# Altium PCB SDR.PcbDoc (part 4 of 5)
Units mil, origin at the board's own origin, x right, y up, seen from the top; angles counter-clockwise.
Board outline 5725 x 2750 mil, 6 copper layers (Top Layer, Mid-Layer 1, Mid-Layer 2, Mid-Layer 3, Mid-Layer 4, Bottom Layer), stack 58.26 mil thick; 401 components, 323 nets, 1707 pads, 954 vias.
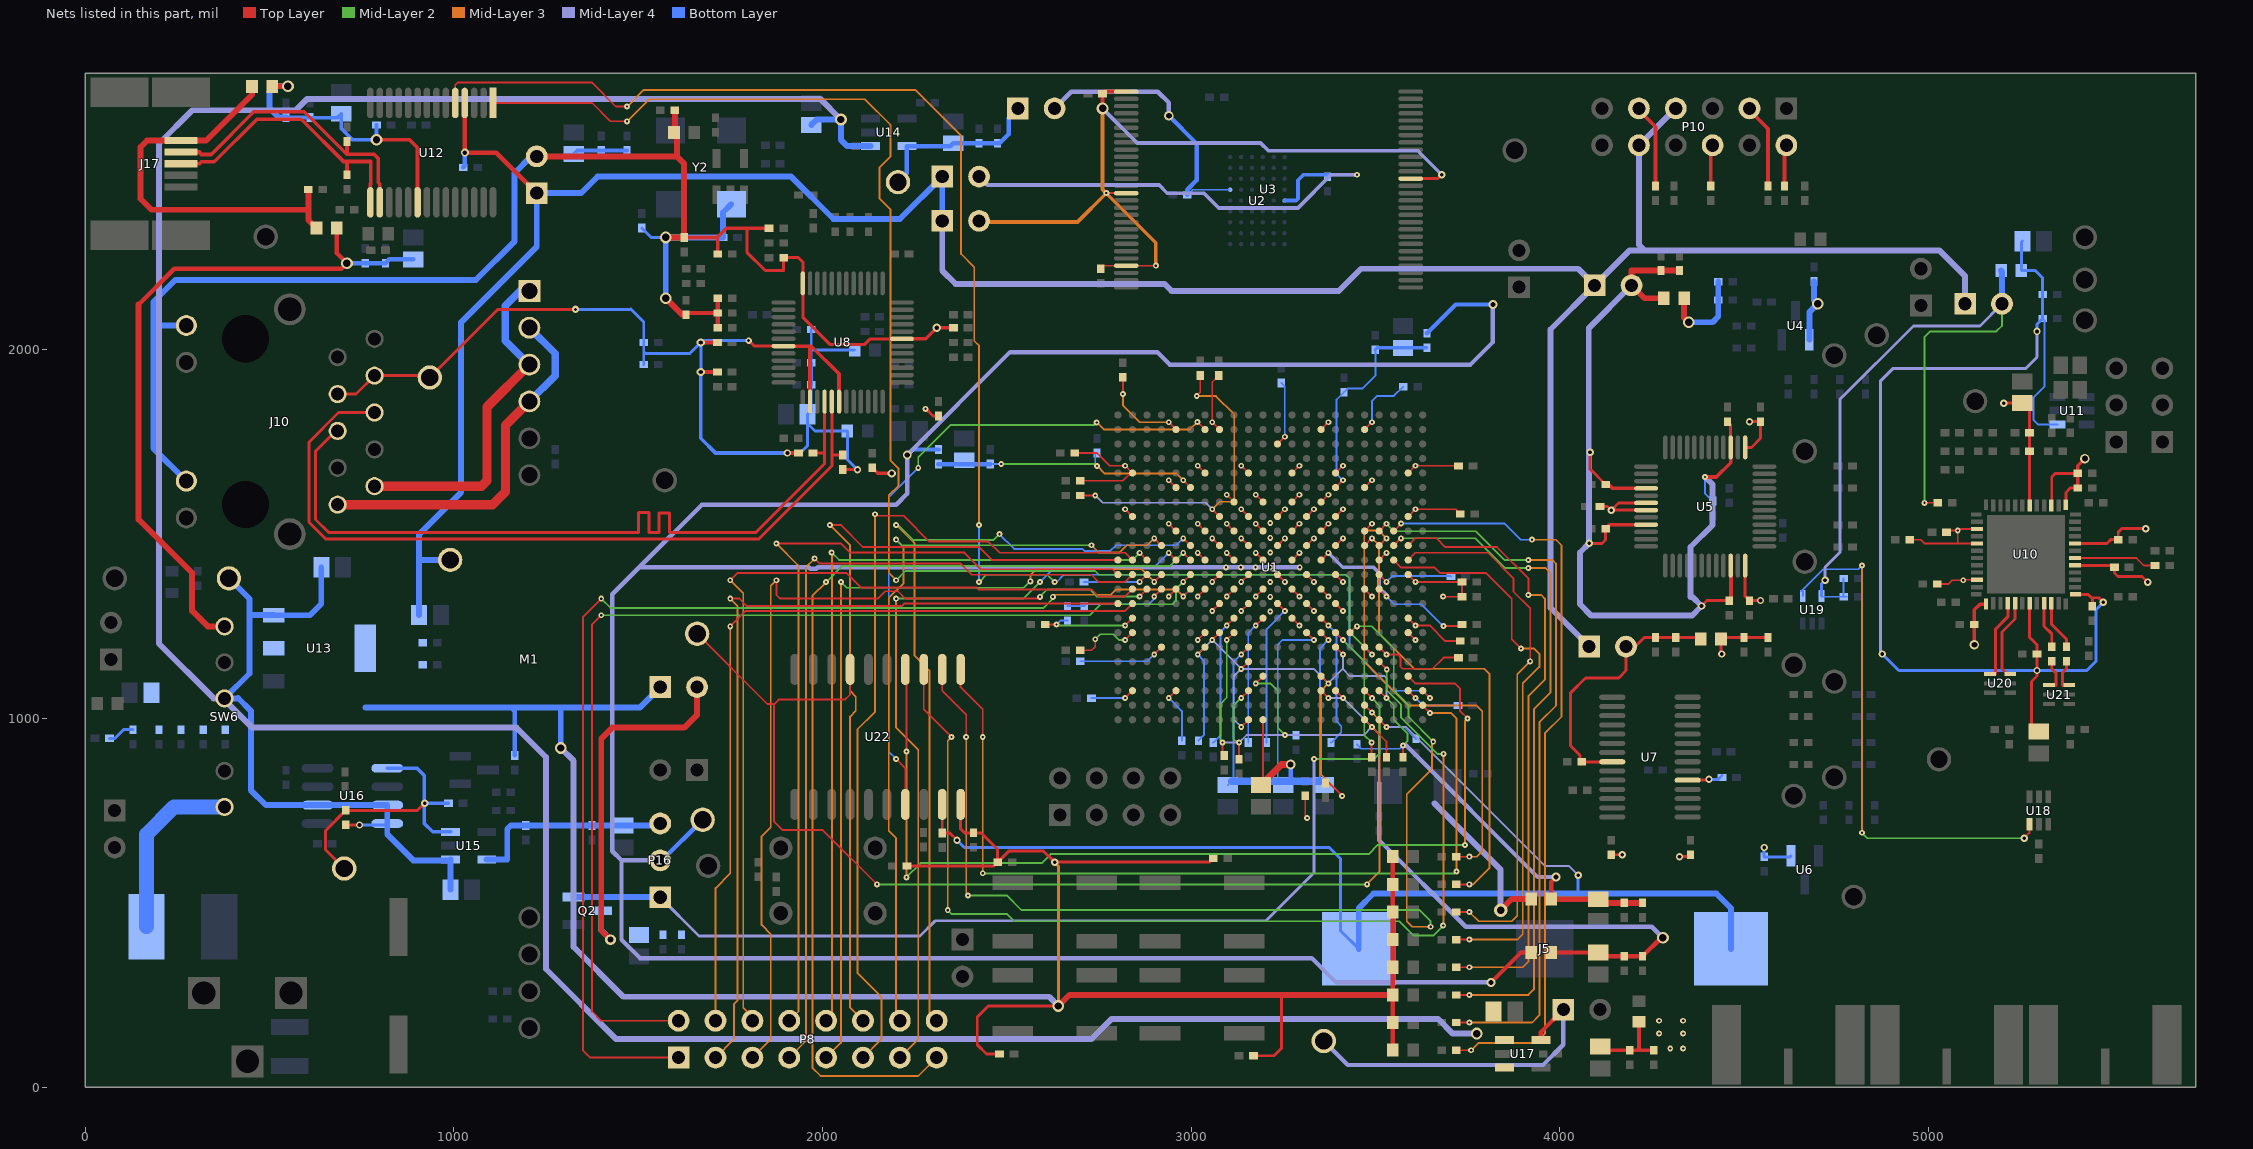
[diagram p8: the nets of this part, all layers, seen from the top]

## Via types
v1: diameter 16, hole 6, Top Layer to Bottom Layer, 767 vias
v2: diameter 32, hole 20, Top Layer to Bottom Layer, 74 vias
v3: diameter 20, hole 10, Top Layer to Bottom Layer, 59 vias
v4: diameter 26, hole 16, Top Layer to Bottom Layer, 14 vias
v5: diameter 36, hole 20, Top Layer to Bottom Layer, 12 vias
v6: diameter 24, hole 14, Top Layer to Bottom Layer, 7 vias
v7: diameter 22, hole 12, Top Layer to Bottom Layer, 6 vias
v8: diameter 30, hole 20, Top Layer to Bottom Layer, 5 vias
v9: diameter 150, hole 125, Top Layer to Bottom Layer, 4 vias
v10: diameter 26, hole 14, Top Layer to Bottom Layer, 2 vias
v11: diameter 20, hole 8, Top Layer to Bottom Layer, 1 vias
v12: diameter 18, hole 8, Top Layer to Bottom Layer, 1 vias
v13: diameter 22, hole 10, Top Layer to Bottom Layer, 1 vias
v14: diameter 29, hole 16, Top Layer to Bottom Layer, 1 vias

## Nets (pads, with @x,y where several pads share a name; then routed paths per layer and width w, separated by ;. In a path a pad name is that pad's centre, name@x,y a point inside that pad or via, vN(x,y) a via of type N, cw(c..) or ccw(c..) an arc to the next point about the centre after c; other vN are vias at no path point) (continued)
RTC_CLKOUT: J34.1 U1.AA18 U22.7 | length 3087
  Top Layer w5: J34.1@1660,1230 1851,1039 1869,1039 ; U22.7@2075,1133.07 2075,1065 2061,1051 1881,1051 1869,1039 ; v1(2148,550) 2001,697 1892,697 1869,720 1869,1039 ; U1.AA18@3470.91,1035.98 v1(3490.59,1016.3)
  Mid-Layer 2 w5: v1(2148,550) v1(3477,550)
  Mid-Layer 3 w5: v1(3477,550) 3511,584 3511,995.89 v1(3490.59,1016.3)
RTC_INT: U1.B7 U22.17 | length 1835.1
  Top Layer w5: v1(2200,890) 2225,865 U22.17@2225,766.93 ; v1(3017,1804) 3017.85,1804 U1.B7@3037.83,1784.02
  Mid-Layer 2 w5: v1(2260,1680) 2260,1709 2347,1796 2737,1796 v1(2744,1803)
  Mid-Layer 3 w5: v1(2744,1803) 2763,1784 2997,1784 v1(3017,1804)
  Bottom Layer w5: v1(2200,890) 2180,910 2180,1600 v1(2260,1680)
RTC_SCL: U1.AA22 U22.1 | length 2387.7
  Top Layer w5: U22.1@2375,1133.07 2375,1085 2435,1025 v1(2435,950) ; U1.AA22@3628.39,1035.98 3628.39,1034.61 v1(3648,1015)
  Mid-Layer 2 w5: v1(2435,580) 2435.5,579.5 3714.5,579.5 v1(3720,585)
  Mid-Layer 3 w5: v1(2435,580) v1(2435,950) ; v1(3648,1015) 3705,1015 3720,1000 v1(3720,585)
RTC_SDA: U1.W21 U22.4 | length 2706.3
  Top Layer w5: U22.4@2225,1133.07 2228,1130.07 v1(2228,910) ; U1.W21@3589.02,1114.72 3608.74,1095 3715,1095 3730,1080 3730,1020 v1(3750,1000)
  Mid-Layer 2 w5: v1(2228,569) 2266.5,607.5 2594.5,607.5 2619,632 3482,632 3507,657 v1(3743,657)
  Mid-Layer 3 w5: v1(2228,569) v1(2228,910) ; v1(3743,657) 3743,993 v1(3750,1000)
RTC_SDI: U1.T17 U22.2 | length 2976.8
  Top Layer w5: U22.2@2325,1133.07 2325,1075 2390,1010 v1(2390,950) ; U1.T17@3431.54,1232.83 3448.7,1250 v1(3450,1250)
  Mid-Layer 2 w5: v1(2395,520) 2500,520 2540,480 3620,480 3650,450 v1(3650,435) ; v1(3450,1250) 3490,1250 3550,1190 3550,1076 3590,1036 3590,1004 v1(3657,937)
  Mid-Layer 3 w5: v1(2390,950) 2390,525 v1(2395,520) ; v1(3650,435) 3600,435 3585,450 3585,795 3654,864 3654,934 v1(3657,937)
RTC_SDO: U1.V19 U22.3 | length 2870.8
  Top Layer w5: U22.3@2275,1133.07 2275,1025 v1(2350,950) ; U1.V19@3510.28,1154.09 3531,1133.37 v1(3531,1133)
  Mid-Layer 2 w5: v1(2340,480) 2350,470 2500,470 2520,450 3565,450 3604,411 3657,411 v1(3684,438) ; v1(3531,1133) 3531,1076.55 3570,1037.55 3570,1002.08 3668.08,904 v1(3685,904)
  Mid-Layer 3 w5: v1(2340,480) 2340,940 v1(2350,950) ; v1(3684,438) 3685,439 v1(3685,904)
RX/T\X\: U18.4 U19.4 | length 1426.6
  Top Layer w5: v3(5260,675) 5274.41,689.41 U18.4@5274.41,712.6
  Mid-Layer 2 w5: v1(4820,690) 4835,675 v3(5260,675)
  Mid-Layer 3 w5: v1(4820,690) v1(4820,1415)
  Bottom Layer w5: U19.4@4659.41,1332.4 4660,1332.99 4660,1345 4659.41,1345 4655,1345 4715,1405 4810,1405 v1(4820,1415)
RXRF_N: U10.5 U20.3 | length 220.3
  Top Layer w8: U20.3@5222.56,1120.59 5214.41,1120.59 5200,1135 5200,1234.54 5235.47,1270.02 U10.5@5235.47,1312.13
RXRF_P: U10.4 U20.4 | length 220.1
  Top Layer w8: U20.4@5167.44,1120.59 5182,1120.59 5182,1242 5215.79,1275.79 U10.4@5215.79,1312.13
SCLK: R83.1 U10.18 | length 225.8
  Top Layer w5: U10.18@5397.87,1435.16 5564.84,1435.16 5585,1415 R83.1@5615.31,1415
TCK: P10.2 R72.1 | length 110.3
  Top Layer w10: R72.1@4610,2444.68 P10.2@4610,2555
TD_N: J10.6 R25.2 U8.40 | length 2151.9
  Top Layer w8: J10.6@685,1780 680,1780 625,1725 625,1540 660,1505 1501,1505 1501,1558.53 1529,1558.53 1529,1505 1557,1505 1557,1557.46 1585,1557.46 1585,1505 1820,1505 2005.79,1690.79 2005.79,1720 ; R25.2@1974.69,1720 2005.79,1720 ; U8.40@2005.79,1859.57 2005.79,1720
TD_P: J10.5 R20.2 U8.41 | length 2151.9
  Top Layer w8: J10.5@785,1830 687.47,1830 607,1749.53 607,1532.54 652.54,1487 1827.46,1487 2025.47,1685.02 2025.47,1715 ; U8.41@2025.47,1859.57 2025.47,1715 ; R20.2@2055,1714.69 2025.79,1714.69 2025.47,1715
TDI: P10.6 R74.1 | length 110.3
  Top Layer w10: R74.1@4410,2444.68 P10.6@4410,2555
TDO: P10.9 R75.2 | length 231
  Top Layer w10: P10.9@4210,2655 4212.5,2652.5 4260,2605 R75.2@4260,2444.69
TMS: P10.3 R73.2 | length 233.1
  Top Layer w10: P10.3@4510,2655 4512.5,2652.5 4565,2600 R73.2@4565,2444.69
TXRF_C_N: C188.2 U21.3 | length 87.8
  Top Layer w8: C188.2@5375,1155.31 5375,1135 5364,1124 5364,1090.59 5364,1090 U21.3@5381.97,1090
TXRF_C_P: C187.2 U21.4 | length 87.8
  Top Layer w8: U21.4@5328.03,1090 5346,1090 5346,1090.59 5346,1124 5335,1135 C187.2@5335,1155.31
TXRF_N: C188.1 U10.10 | length 134.5
  Top Layer w8: U10.10@5333.9,1312.13 5333.9,1256.1 5375,1215 C188.1@5375,1194.68
TXRF_P: C187.1 U10.9 | length 126.1
  Top Layer w8: U10.9@5314.21,1312.13 5314.21,1250.33 5335,1229.54 C187.1@5335,1194.68
UART_0_RXD: U1.U18 U12.1 | length 3949
  Top Layer w5: U12.1@1106.34,2669.84 1374.84,2669.84 1424.68,2620 v1(1470,2620) ; U1.U18@3470.91,1193.46 v1(3490.59,1173.78)
  Mid-Layer 2 w5: v1(2200,1375) 2225,1400 2740,1400 2750,1390 3420,1390 3430,1380 3430,1234.37 v1(3490.59,1173.78)
  Mid-Layer 3 w5: v1(1470,2620) 1530,2680 2115,2680 2185,2610 2185,2525 2155,2495 2155,2410 2185,2380 2185,1699 2206.5,1677.5 2206.5,1631.5 2180,1605 2180,1395 v1(2200,1375)
UART_0_TXD: U1.Y22 U12.5 | length 4275.1
  Top Layer w5: U12.5@1003.98,2669.84 1003.98,2718.98 1010,2725 1375,2725 1440,2660 v1(1470,2660) ; U1.Y22@3628.39,1075.35 v1(3648.07,1055.67)
  Mid-Layer 2 w5: v1(2425,1370) 2445,1390 2610,1390 v1(2630,1370)
  Mid-Layer 3 w5: v1(1470,2660) 1515,2705 2252,2705 2376,2581 2376,2260 2412,2224 2412,2024 2425,2011 v1(2425,1525)
  Bottom Layer w5: v1(2425,1370) v1(2425,1525) ; v1(2630,1370) 2635,1370 2655,1390 3420,1390 3430,1380 3430,1194 3549,1075 3628.74,1075 v1(3648.07,1055.67)
UART_VCC: C143.2 C144.2 C145.1 FB10.2 R84.2 U12.20 | length 810
  Top Layer w10: v2(790.31,2570) 880,2570 901.61,2548.39 U12.20@901.61,2400.16
  Top Layer w16: FB10.2@507.56,2715 v2(550,2715)
  Bottom Layer w10: C143.2@545,2630.31 C144.2@610,2630.31 610.31,2630 684.53,2630 C145.1@695,2640.47 695,2600 725,2570 v2(790.31,2570) R84.2@790.31,2610
  Bottom Layer w16: C143.2@545,2630.31 524.69,2630.31 500,2655 500,2700 515,2715 v2(550,2715)
USB_D_N: C148.2 J17.2 U12.16 | length 794.3
  Top Layer w10: J17.2@260,2536.5 310,2536.5 310,2535 315,2530 341.72,2530 457.57,2645.86 594.14,2645.86 709.25,2530.75 710,2530.75 ; C148.2@710,2565.31 710,2530.75 ; U12.16@799.25,2400.16 799.25,2450 795,2454.25 795,2519.03 783.28,2530.75 710,2530.75
USB_D_P: C147.2 J17.3 U12.15 | length 759.9
  Top Layer w10: J17.3@260,2505 310,2505 315,2510 350,2510 465.86,2625.86 585.86,2625.86 700.97,2510.75 710,2510.75 ; C147.2@710,2474.69 710,2510.75 ; U12.15@773.66,2400.16 773.66,2450 775,2451.34 775,2510.75 710,2510.75
USB_VCC: C146.2 FB10.1 FB11.1 J17.1 | length 1105.9
  Top Layer w16: FB10.1@452.44,2715 452.44,2692.44 327.99,2567.99 J17.1@260,2567.99 167.99,2567.99 150,2550 150,2410 180,2380 605.31,2380 ; C146.2@605.31,2435 605.31,2380 ; FB11.1@627.44,2330 605.31,2352.13 605.31,2380
USER_IO0: P8.1 U1.N6 | length 3162.4
  Top Layer w5: v1(1400,1325) 1350,1275 1350,100 1370,80 P8.1@1610,80 ; v1(2978.78,1331.26) U1.N6@2998.46,1350.94
  Mid-Layer 2 w5: v1(1400,1325) 1425,1300 2600,1300 2625,1325 v1(2625,1330)
  Mid-Layer 3 w5: v1(2625,1330) 2630.45,1335.44 2782.37,1335.44 2796.92,1350 2960.04,1350 v1(2978.78,1331.26)
USER_IO1: P8.2 U1.M6 | length 2993.5
  Top Layer w5: v1(1400,1280) 1375,1255 1375,205 1400,180 P8.2@1610,180 ; v1(2978.78,1370.63) U1.M6@2998.46,1390.32
  Mid-Layer 2 w5: v1(1400,1280) 2725,1280 2755,1310 2950,1310 2959.09,1319.09 2959.09,1350.94 v1(2978.78,1370.63)
USER_IO2: P8.3 U1.P1 | length 2340.8
  Top Layer w5: v1(1750,1325) 1775,1325 1795,1305 2215,1305 2221.57,1311.57 U1.P1@2801.61,1311.57
  Mid-Layer 3 w5: P8.3@1710,80 1760,130 1760,225 1770,235 1770,1305 v1(1750,1325)
USER_IO3: P8.4 U1.P2 | length 2203.1
  Top Layer w5: v1(1750,1250) 1791.89,1291.89 2821.3,1291.89 U1.P2@2840.98,1311.57
  Mid-Layer 3 w5: P8.4@1710,180 1710,540 1750,580 v1(1750,1250)
USER_IO4: P8.5 U1.N3 | length 2435
  Top Layer w5: v1(1875,1375) 1875,1335 1885,1325 2150,1325 2170,1345 2205,1345 2225,1325 2585,1325 v1(2590,1330) ; v1(2860.67,1331.26) U1.N3@2880.35,1350.94
  Mid-Layer 2 w5: v1(2590,1330) 2610,1350 2725,1350 2743.74,1331.26 v1(2860.67,1331.26)
  Mid-Layer 3 w5: P8.5@1810,80 1860,130 1860,415 1835,440 1835,680 1860,705 1860,1360 v1(1875,1375)
USER_IO5: P8.6 U1.N2 | length 2353.7
  Top Layer w5: v1(1750,1375) 1770,1395 2065,1395 2105,1355 2418.08,1355 2423.08,1350 2730,1350 2748.74,1331.26 2821.3,1331.26 U1.N2@2840.98,1350.94
  Mid-Layer 3 w5: v1(1750,1375) 1785,1340 1785,215 1810,190 P8.6@1810,180
USER_IO6: P8.7 U1.M2 | length 2279.5
  Top Layer w5: v1(1979,1434) 1993,1420 2375,1420 2405,1390 2730,1390 2750,1370 2820.67,1370 U1.M2@2840.98,1390.32
  Mid-Layer 3 w5: P8.7@1910,80 1955,125 1955,1410 v1(1979,1434)
USER_IO7: P8.8 U1.M1 | length 2291.9
  Top Layer w5: v1(1875,1475) 2050,1475 2075,1450 2385,1450 2430,1405 2786.93,1405 U1.M1@2801.61,1390.32
  Mid-Layer 3 w5: v1(1875,1475) 1935,1415 1935,205 P8.8@1910,180
USER_IO8: P8.9 U1.M4 | length 2236
  Top Layer w5: v1(2900.04,1370.63) U1.M4@2919.72,1390.32
  Mid-Layer 2 w5: v1(2050,1370) 2065.5,1354.5 2546.5,1354.5 v1(2564,1372)
  Mid-Layer 3 w5: P8.9@2010,80 2050,120 v1(2050,1370) ; v1(2564,1372) 2564,1389 2580,1405 2865.67,1405 v1(2900.04,1370.63)
USER_IO9: P8.10 U1.L3 | length 2177.7
  Top Layer w5: P8.10@2010,180 P8.10@2025,195 ; v1(2860.67,1449.37) U1.L3@2880.35,1429.69
  Mid-Layer 2 w5: v1(2025,1450) 2045,1430 2841.3,1430 v1(2860.67,1449.37)
  Mid-Layer 3 w5: P8.10@2010,180 2025.5,195.5 2025.5,1449.5 v1(2025,1450)
USER_IO10: P8.11 U1.L2 | length 2291
  Top Layer w5: v1(2143,1554) 2147,1550 2220,1550 2290,1480 2450,1480 2480.63,1449.37 2821.3,1449.37 U1.L2@2840.98,1429.69
  Mid-Layer 3 w5: P8.11@2110,80 2160,130 2160,245 2095,310 2095,970 2143,1018 v1(2143,1554)
USER_IO11: P8.12 U1.L1 | length 2216.2
  Top Layer w5: v1(2020,1525) 2050,1525 2110,1465 2425,1465 2460.31,1429.69 U1.L1@2801.61,1429.69
  Mid-Layer 3 w5: v1(2020,1525) 2075,1470 2075,1075 2090.5,1059.5 2090.5,1020.5 2075,1005 2075,215 P8.12@2110,180
USER_IO12: P8.13 U1.L5 | length 2109.3
  Top Layer w5: v1(2939.41,1449.37) U1.L5@2959.09,1429.69
  Mid-Layer 2 w5: v1(2200,1325) 2545,1325 v1(2590,1370)
  Mid-Layer 3 w5: v1(2200,1325) 2200,975 2260,915 2260,130 P8.13@2210,80
  Bottom Layer w5: v1(2590,1370) 2630,1410 2900.04,1410 v1(2939.41,1449.37)
USER_IO13: P8.14 U1.K4 | length 2102
  Top Layer w5: v1(2900.04,1488.74) U1.K4@2919.72,1469.06
  Mid-Layer 2 w5: v1(2200,1485) 2215,1470 v1(2730,1470)
  Mid-Layer 3 w5: v1(2200,1485) 2220,1465 2220,1366.92 2180,1326.92 2180,695 2200,675 2200,190 P8.14@2210,180 ; v1(2730,1470) 2750,1450 2805,1450 2825,1470 2881.3,1470 v1(2900.04,1488.74)
  Bottom Layer w5: v1@2898.74,1488.74 v1(2900.04,1488.74)
USER_IO14: P8.15 U1.L6 | length 2729.7
  Top Layer w5: v1(2978.78,1449.37) U1.L6@2998.46,1429.69
  Mid-Layer 2 w5: v1(2010,1370) 2053.87,1413.87 2943.28,1413.87 v1(2978.78,1449.37)
  Mid-Layer 3 w5: v1(2010,1370) 1972.97,1332.97 1972.97,52.03 1995,30 2260,30 P8.15@2310,80
USER_IO15: P8.16 U1.K6 | length 2253.4
  Top Layer w5: v1(2978.78,1488.74) U1.K6@2998.46,1469.06
  Mid-Layer 2 w5: v1(2200,1525) 2205,1525 2245.5,1484.5 2464.5,1484.5 v1(2480,1500)
  Mid-Layer 3 w5: v1(2200,1525) 2250,1475 2250,1170 2290,1130 2290,200 P8.16@2310,180
  Bottom Layer w5: v1(2480,1500) 2520,1460 2705,1460 2710.5,1454.5 2781.42,1454.5 2796.92,1470 2960.04,1470 v1(2978.78,1488.74)
USER_LED0: R66.1 U1.J20 | length 2090.7
  Top Layer w5: U1.J20@3549.65,1508.43 v1(3570,1528.78) ; R66.1@3719.68,100 v1(3760,100)
  Mid-Layer 3 w5: v1(3760,100) 3780,120 3935,120 3960,145 3960,960 4005,1005 4005,1470 3990,1485 v1(3925,1485)
  Bottom Layer w5: v1(3570,1528.78) 3851.22,1528.78 3895,1485 v1(3925,1485)
USER_LED1: R65.1 U1.J19 | length 2009.9
  Top Layer w5: U1.J19@3510.28,1508.43 v1(3529.96,1528.11) ; R65.1@3719.68,175 v1(3755,175)
  Mid-Layer 2 w5: v1(3529.96,1528.11) 3550,1508.07 3771.93,1508.07 3850,1430 v1(3915,1430)
  Mid-Layer 3 w5: v1(3755,175) 3925,175 3945,195 3945,990 3990,1035 3990,1420 3980,1430 v1(3915,1430)
USER_LED2: R64.1 U1.K20 | length 1832.5
  Top Layer w5: U1.K20@3549.65,1469.06 v1(3569.33,1488.74) ; R64.1@3724.68,250 v1(3755,250)
  Mid-Layer 2 w5: v1(3569.33,1488.74) 3771.26,1488.74 3852,1408 v1(3915,1408)
  Mid-Layer 3 w5: v1(3755,250) 3915,250 3930,265 3930,1025 3975,1070 3975,1395 3962,1408 v1(3915,1408)
USER_LED3: R63.1 U1.K21 | length 1678.5
  Top Layer w5: U1.K21@3589.02,1469.06 3608.7,1488.74 3666.26,1488.74 3690,1465 3830,1465 3915,1380 v1(3915,1335) ; R63.1@3719.68,325 v1(3755,325)
  Mid-Layer 3 w5: v1(3755,325) 3900,325 3915,340 3915,1060 3960,1105 3960,1325 3950,1335 v1(3915,1335)
USER_LED4: R62.1 U1.L20 | length 1530.5
  Top Layer w5: U1.L20@3549.65,1429.69 3569.33,1410 3660,1410 3675,1395 3800,1395 3870,1325 3870,1215 v1(3895,1190) ; R62.1@3719.68,400 v1(3755,400)
  Mid-Layer 3 w5: v1(3755,400) 3885,400 3900,415 3900,1095 3945,1140 3945,1175 3930,1190 v1(3895,1190)
USER_LED5: R61.1 U1.L21 | length 1447.9
  Top Layer w5: U1.L21@3589.02,1429.69 3608.7,1449.37 3805.63,1449.37 3874.5,1380.5 3874.5,1344.5 3920,1299 v1(3920,1155) ; R61.1@3724.68,475 v1(3755,475)
  Mid-Layer 3 w5: v1(3755,475) 3780,450 3870,450 3885,465 3885,1120 v1(3920,1155)
USER_LED6: R60.1 U1.K18 | length 1274.1
  Top Layer w5: U1.K18@3470.91,1469.06 v1(3490.59,1488.74) ; R60.1@3719.68,550 v1(3755,550)
  Mid-Layer 3 w5: v1(3490.59,1488.74) 3510,1469.33 3510,1230 3605,1135 3795,1135 3810,1120 3810,595 3765,550 v1(3755,550)
USER_LED7: R59.1 U1.K19 | length 1278.8
  Top Layer w5: U1.K19@3510.28,1469.06 v1(3529.96,1488.74) ; R59.1@3719.68,625 v1(3755,625)
  Mid-Layer 3 w5: v1(3529.96,1488.74) 3508.7,1510 3480,1510 3470,1500 3470,1154 3589,1035 3775,1035 3790,1020 3790,640 3775,625 v1(3755,625)
VAREFOUT: C47.1 C48.1 C49.1 C53.1 U1.AB11 U1.T14 U1.T15 U1.U10 | length 1867.5
  Top Layer w5: v1(3136.26,1173.78) U1.U10@3155.94,1193.46 ; C48.1@3195.32,824.84 U1.AB11@3195.32,996.61 ; U1.T14@3313.43,1232.83 v1(3333.11,1213.15) ; U1.T15@3352.8,1232.83 v1(3372.48,1213.15)
  Top Layer w20: C48.1@3195.32,824.84 3245.47,875 v4(3270,875)
  Bottom Layer w5: C47.1@3100,819.53 3115,834.53 3115,1152.52 v1(3136.26,1173.78) ; C53.1@3235,834.53 3235,1200 3248.15,1213.15 v1(3333.11,1213.15) ; C49.1@3350,829.53 3350,1190.67 v1(3372.48,1213.15)
  Bottom Layer w12: C53.1@3270,829.53 v4(3270,875)
  Bottom Layer w20: C47.1@3110,829.53 3250,829.53 3270,829.53 C49.1@3350,829.53
VBAT: C74.2 C190.2 J5.pos U1.AB19 U22.19 | length 3574.9
  Top Layer w5: U1.AB19@3510.28,996.61 v1(3529.96,976.93)
  Top Layer w8: U22.19@2325,766.93 C190.2@2325,689.37 2345.63,689.37 v3(2365,670)
  Mid-Layer 4 w5: v1(3529.96,976.93) 3583.07,976.93 3645.04,914.96 3666.96,893.04 3960,600 4025,600 v3(4050,575)
  Bottom Layer w5: v1(3529.96,976.93) 3577.76,976.93 C74.2@3610,944.69 ; 4045,525 4050,530
  Bottom Layer w8: v3(2365,670) 2385,650 3375,650 3405,620 3405,425.08 J5.pos@3455.08,375 ; 4050,530 v3(4050,575)
  Bottom Layer w16: J5.pos@3455.08,375 3455.08,485.08 3495,525 4045,525 4425,525 4464.92,485.08 J5.pos@4464.92,375
VCC1.5_EN: J22.1 R89.2 R92.2 U15.3 U16.5 | length 806.9
  Top Layer w8: J22.1@703,593 652,644 652,695.69 R92.2@707,750.69 901.69,750.69 v3(921,770)
  Bottom Layer w10: U16.5@819.49,865 900,865 920,845 920,770 920,715 942.6,692.4 U15.3@990.79,692.4 ; v3(921,770) R89.2@985.31,770
VCC1.5_EXT: C163.2 C164.2 C166.1 P16.3 U15.5 | length 559.5
  Bottom Layer w16: U15.5@1089.21,617.6 1145,617.6 1145,700 1154.69,709.69 C163.2@1195,709.69 C164.2@1375,709.69 1459.84,709.69 C166.1@1460,709.53 1554.53,709.53 P16.3@1560,715
VCC1.5_INT: C174.2 C175.2 C176.1 P16.1 Q2.2 U1.Y18 | length 2800.1
  Top Layer w5: U1.Y18@3470.91,1075.35 3491,1055.26 v1(3491,1055)
  Mid-Layer 2 w5: v1(3334,890) 3497,890 3511,904 3511,1035 v1(3491,1055)
  Mid-Layer 4 w8: P16.1@1560,515 1665,410 2265,410 2305,450 3204,452 3334,582 v1(3334,890)
  Bottom Layer w16: Q2.2@1325.04,515.91 1555.04,515.91 P16.1@1557.44,513.5
VCC1.5_SF: C32.2 C33.2 C34.2 C35.2 C36.2 C37.2 C38.2 FB2.1 J23.1 L1.2 L2.2 P16.2 U1.H8 U1.H10 U1.H12 U1.H14 U1.J9 U1.J11 U1.J13 U1.J15 U1.K8 U1.K10 U1.K12 U1.K14 U1.L9 U1.L11 U1.L13 U1.L15 U1.M8 U1.M10 U1.M12 U1.M14 U1.N9 U1.N11 U1.N13 U1.N15 U1.N19 U1.P8 U1.P10 U1.P12 U1.P14 U1.R9 U1.R11 U1.R13 U1.R15 | length 12341.4
  Top Layer w5: C36.2@2699.69,1605 v1(2740,1605) ; v1(3015.5,1874.5) 3015.5,1875.5 3025,1885 C37.2@3025,1930.31 ; v1(3057.52,1291.89) U1.P8@3077.2,1311.57 ; v1(3057.52,1370.63) U1.M8@3077.2,1390.32 ; v1(3057.52,1488.74) U1.K8@3077.2,1469.06 ; v1(3057.52,1567.48) U1.H8@3077.2,1547.8 ; v1(3096.89,1252.52) U1.R9@3116.57,1272.2 ; v1(3096.89,1331.26) U1.N9@3116.57,1350.94 ; v1(3096.89,1449.37) U1.L9@3116.57,1429.69 ; v1(3096.89,1528.11) U1.J9@3116.57,1508.43 ; v1(3136.26,1291.89) U1.P10@3155.94,1311.57 ; v1(3136.26,1370.63) U1.M10@3155.94,1390.32 ; v1(3136.26,1488.74) U1.K10@3155.94,1469.06 ; v1(3136.26,1567.48) U1.H10@3155.94,1547.8 ; v1(3175.63,1252.52) U1.R11@3195.32,1272.2 ; v1(3175.63,1331.26) U1.N11@3195.32,1350.94 ; v1(3175.63,1449.37) U1.L11@3195.32,1429.69 ; v1(3175.63,1528.11) U1.J11@3195.32,1508.43 ; U1.P12@3234.69,1311.57 v1(3254.37,1291.89) ; U1.M12@3234.69,1390.32 v1(3254.37,1370.63) ; U1.K12@3234.69,1469.06 v1(3254.37,1488.74) ; U1.H12@3234.69,1547.8 v1(3254.37,1567.48) ; U1.R13@3274.06,1272.2 v1(3293.74,1252.52) ; U1.N13@3274.06,1350.94 v1(3293.74,1331.26) ; U1.L13@3274.06,1429.69 v1(3293.74,1449.37) ; U1.J13@3274.06,1508.43 v1(3293.74,1528.11) ; U1.P14@3313.43,1311.57 v1(3333.11,1291.89) ; U1.M14@3313.43,1390.32 v1(3333.11,1370.63) ; U1.K14@3313.43,1469.06 v1(3333.11,1488.74) ; U1.H14@3313.43,1547.8 v1(3333.11,1567.48) ; U1.R15@3352.8,1272.2 v1(3372.48,1252.52) ; U1.N15@3352.8,1350.94 v1(3372.48,1331.26) ; U1.L15@3352.8,1429.69 v1(3372.48,1449.37) ; U1.J15@3352.8,1508.43 v1(3372.48,1528.11) ; U1.N19@3510.28,1350.94 v1(3529.96,1331.26) ; v1(3684.5,1250.5) C38.2@3730.81,1250.5
  Top Layer w12: v6(3814,284) 3895,365 FB2.1@3922.44,365
  Mid-Layer 3 w5: v1(3015.5,1874.5) 3067.5,1874.5 3117,1825 3117,1597 3108,1588 3078.04,1588 v1(3057.52,1567.48)
  Mid-Layer 4 w5: v1(2740,1605) 2760,1585 3040,1585 v1(3057.52,1567.48)
  Mid-Layer 4 w10: v1(3372.48,1449.37) 3411.85,1410 3495,1410 3510,1395 3510,1354.59 v1@3529.96,1334.63
  Mid-Layer 4 w12: P16.2@1560,615 1455,615 ; v1(3295,1410) v1(3215,1410) v1(3175,1410) v1(3135,1410) v1(3095,1410) 1986.87,1410 1982.87,1406 1967.13,1406 1963.13,1410 1503,1410 ; v6(3814,284) 3393.47,284 3327.47,350 1505,350 1455,400 1455,615 ; v6(3819,2123) 3819,2021 3758,1960 2942,1960 2908,1994 2509,1994 v6(2230,1715) 2230,1610 2200,1580 1673,1580 1503,1410 ; 1455,615 1430,640 1430,1337 1503,1410
  Bottom Layer w5: C32.2@3060,934.69 3080,954.68 3080,1235.63 v1(3096.89,1252.52) ; C33.2@3155,934.69 3155,1231.89 v1(3175.63,1252.52) ; C34.2@3205,934.69 3205,1242.52 v1(3254.37,1291.89) ; v1(3372.48,1252.52) 3395,1230 3395,991.92 3407.67,979.25 3407.67,962.35 C35.2@3380,934.69 ; v1(3529.96,1331.26) 3551.22,1310 3625,1310 v1(3684.5,1250.5)
  Bottom Layer w12: P16.2@1565,615 J23.1@1675,725 ; v6(2230,1715) 2244.69,1729.69 L1.2@2315,1729.69 ; L2.2@3640,2044.69 3718.32,2123 v6(3819,2123)
  Bottom Layer w20: P16.2@1560,615 P16.2@1565,615
  other v1: 3215,1290 3215,1330 3215,1370 3215,1450 3215,1490 3215,1530
VCC1.5A_SF: C5.2 C6.2 C7.1 C39.2 C40.2 C41.2 C42.2 FB2.2 U1.AB18 U1.T9 U1.W11 U1.Y10 U1.Y15 U1.Y16 | length 3080.1
  Top Layer w5: C41.2@3085,894.69 3085,899.69 v1(3085,935) ; v1(3096.89,1213.15) U1.T9@3116.57,1232.83 ; C39.2@3130,889.69 3130,934.5 v1(3130.5,935) ; v1(3136.26,1055.67) U1.Y10@3155.94,1075.35 ; v1(3175.63,1095.04) U1.W11@3195.32,1114.72 ; U1.Y15@3352.8,1075.35 v1(3372.48,1055.67) ; U1.Y16@3392.17,1075.35 v1(3411.85,1055.67) ; U1.AB18@3470.91,996.61 v1(3490.59,976.93) 3530,937.52 C40.2@3530,894.69